# Altium PCB PCB.PcbDoc (part 1 of 3) (continued)
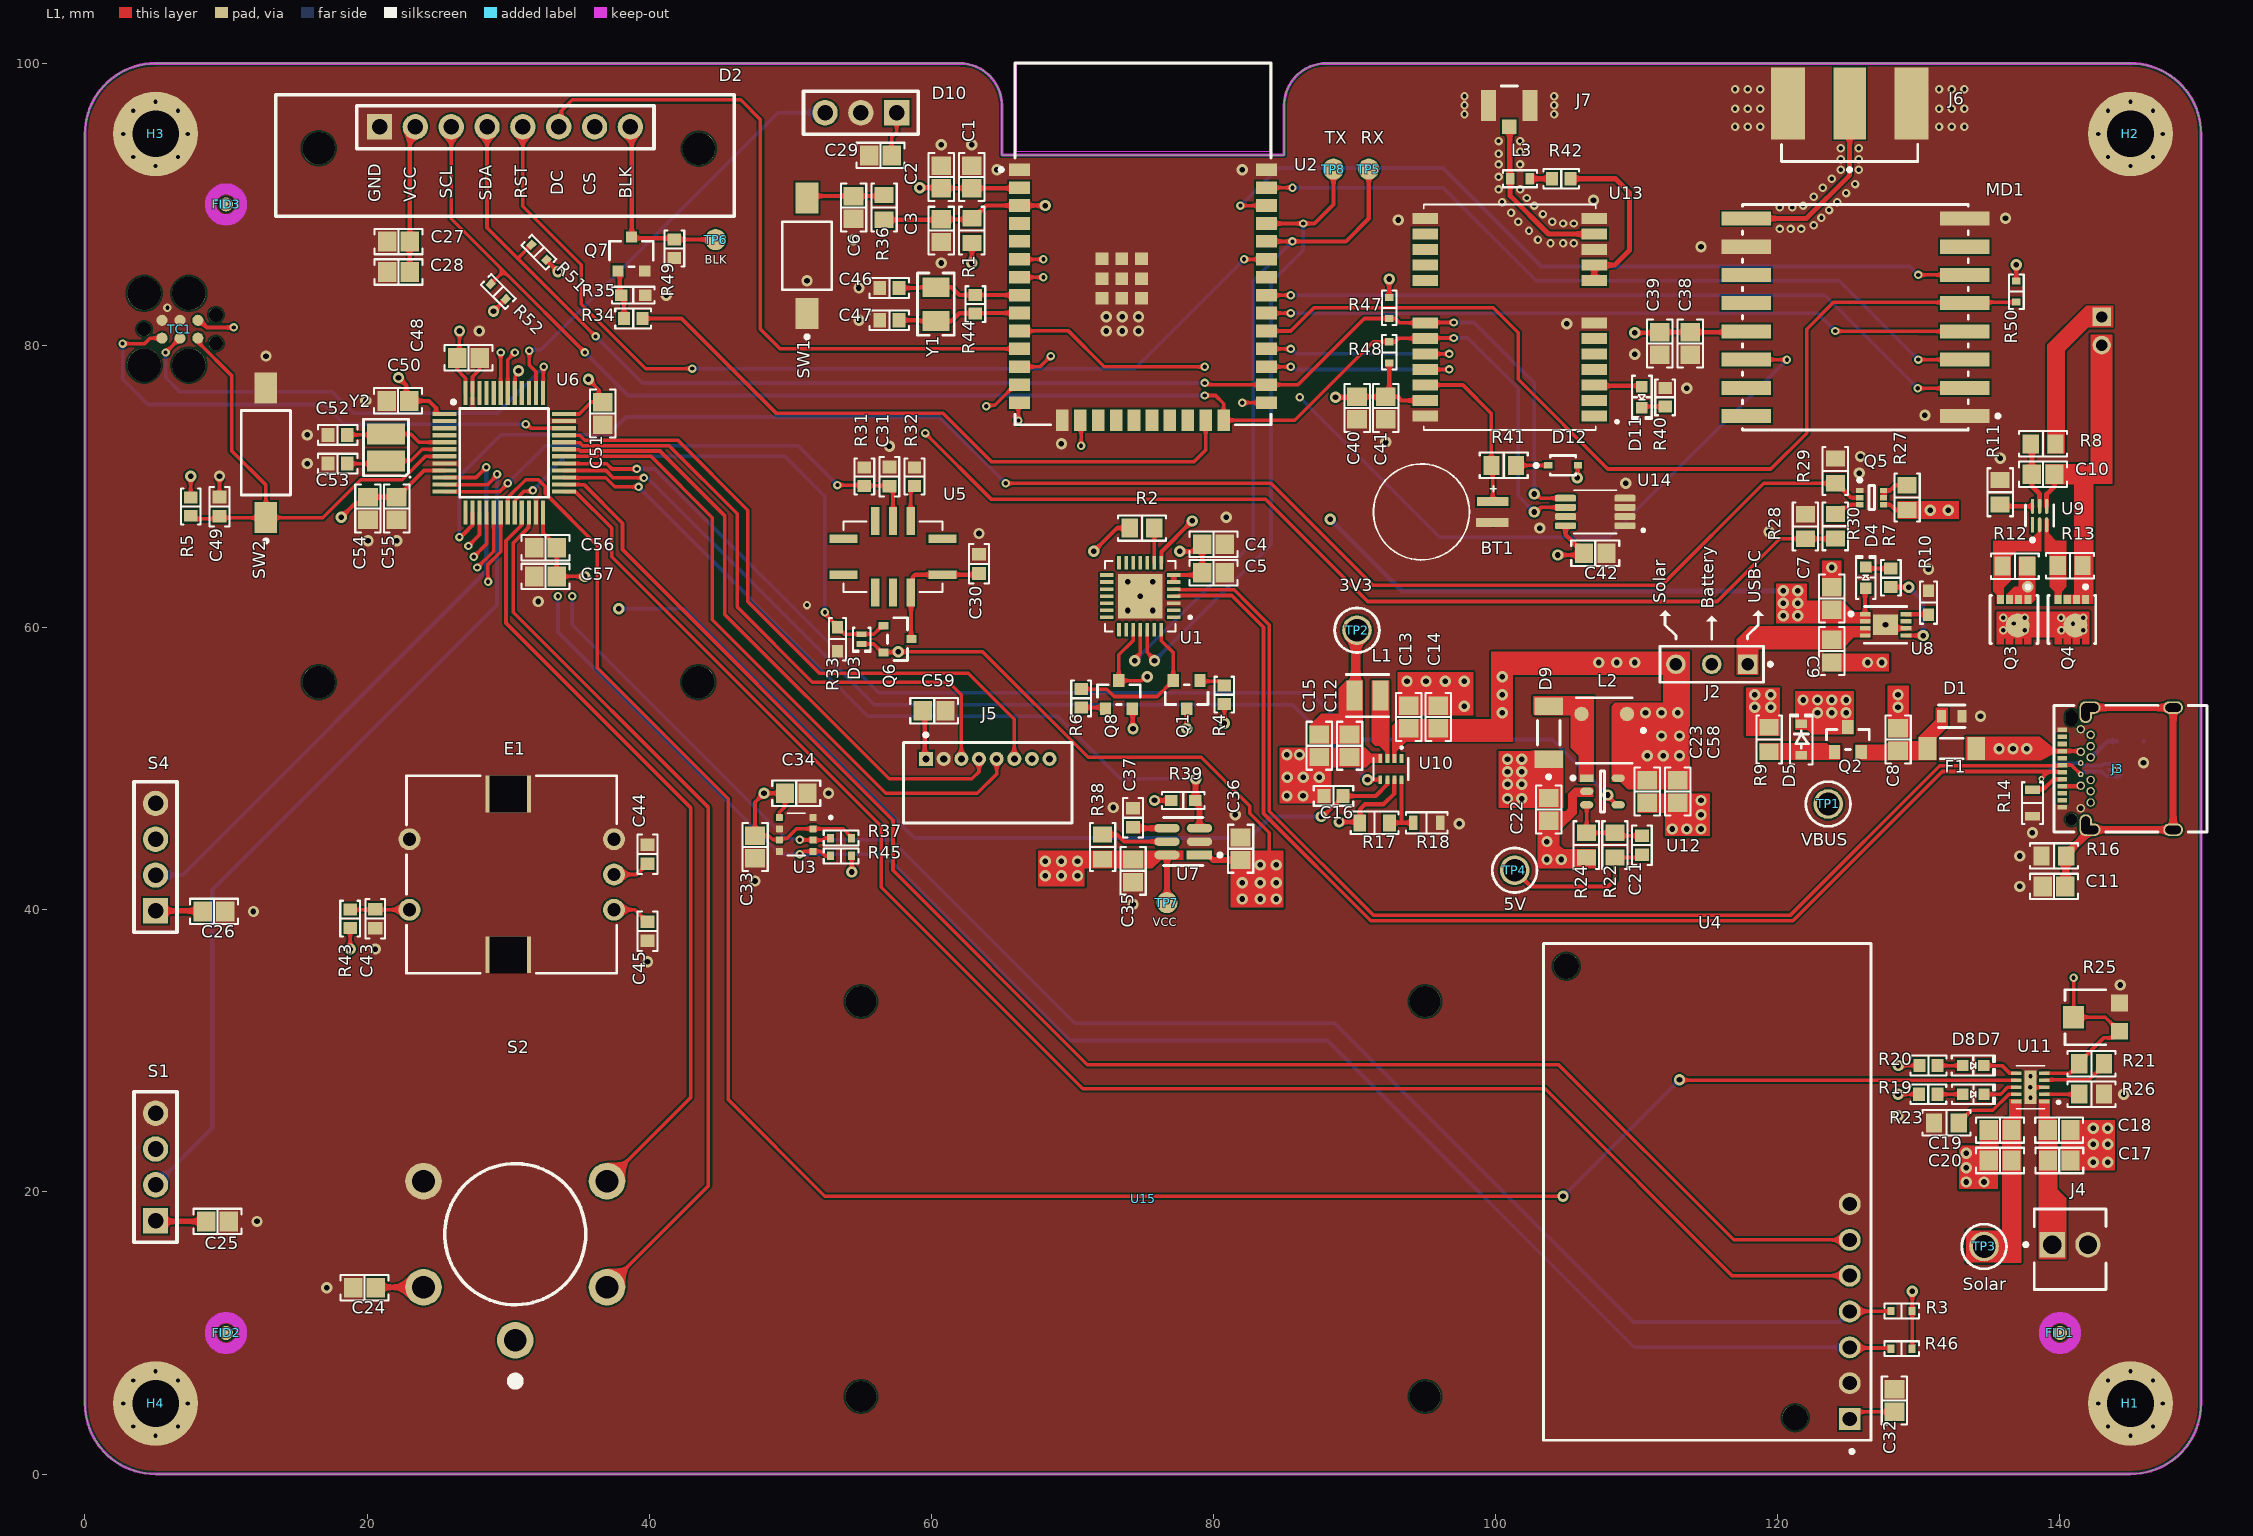
[diagram p0: L1 view]
## Components (designator, comment, footprint, x,y, rotation, side; value= is the part's Value field where it differs from the comment)
B1 "Battery" "1000 MAH BATTERY" 111.5,75 r180 bottom locked
BT1 "MS621FE-FL11E" BAT_MS621FE-FL11E 94.742,68.199 r0 top
C1 "22µF" "CAP 0805_2012" 62.854,91.948 r270 top
C2 "0.1µF" "CAP 0805_2012" 60.706,91.948 r270 top
C3 "1µF" "CAP 0805_2012" 60.706,88.138 r90 top
C4 "1µF" "CAP 0805_2012" 80.002,65.913 r180 top
C5 "1µF" "CAP 0805_2012" 80.002,63.881 r180 top
C6 "0.1µF" "CAP 0805_2012" 54.483,89.789 r270 top
C7 "4.7µF" "CAP 0805_2012" 123.825,62.065 r270 top
C8 "4.7µF" "CAP 0805_2012" 128.524,52.07 r270 top
C9 "4.7µF" "CAP 0805_2012" 123.825,58.331 r90 top
C10 "0.1µF" "CAP 0805_2012" 138.811,70.866 r180 top
C11 "1000 pF" "CAP 0805_2012" 139.573,41.656 r0 top
C12 "22µF" "CAP 0805_2012" 89.646,51.626 r90 top
C13 "10µF" "CAP 0805_2012" 93.837,53.658 r270 top
C14 "10µF" "CAP 0805_2012" 95.931,53.658 r270 top
C15 "22µF" "CAP 0805_2012" 87.487,51.626 r90 top
C16 "2200 pF" "CAP 0603_1608" 88.503,48.07 r0 top
C17 "10µF" "CAP 0805_2012" 139.954,22.225 r180 top
C18 "0.1µF" "CAP 0805_2012" 139.946,24.384 r180 top
C19 "10µF" "CAP 0805_2012" 135.763,24.384 r0 top
C20 "0.1µF" "CAP 0805_2012" 135.763,22.225 r0 top
C21 "4700 pF" "CAP 0603_1608" 110.363,44.577 r270 top
C22 "22µF" "CAP 0805_2012" 103.759,47.117 r90 top
C23 "10µF" "CAP 0805_2012" 110.744,48.387 r90 top
C24 "4.7µF" "CAP 0805_2012" 19.812,13.208 r0 top
C25 "4.7µF" "CAP 0805_2012" 9.398,17.907 r180 top
C26 "4.7µF" "CAP 0805_2012" 9.144,39.878 r180 top locked
C27 "0.1µF" "CAP 0805_2012" 22.225,87.368 r0 top
C28 "4.7µF" "CAP 0805_2012" 22.225,85.209 r0 top
C29 "4.7µF" "CAP 0805_2012" 56.388,93.472 r0 top
C30 "0.1µF" "CAP 0603_1608" 63.373,64.516 r270 top
C31 "0.1µF" "CAP 0603_1608" 57.023,70.706 r270 top
C32 "4.7µF" "CAP 0805_2012" 128.27,5.207 r270 top
C33 "0.1µF" "CAP 0805_2012" 47.498,44.45 r90 top
C34 "0.1µF" "CAP 0805_2012" 50.419,48.26 r180 top
C35 "1µF" "CAP 0805_2012" 74.295,42.761 r90 top
C36 "10µF" "CAP 0805_2012" 81.915,44.323 r270 top
C37 "0.1µF" "CAP 0603_1608" 74.295,46.522 r90 top
C38 "0.1µF" "CAP 0805_2012" 113.792,80.137 r90 top
C39 "4.7µF" "CAP 0805_2012" 111.633,80.137 r90 top
C40 "0.1µF" "CAP 0805_2012" 90.178,75.565 r90 top
C41 "4.7µF" "CAP 0805_2012" 92.21,75.565 r90 top
C42 "0.1µF" "CAP 0805_2012" 107.061,65.278 r180 top
C43 "0.1µF" "CAP 0603_1608" 20.574,39.37 r90 top
C44 "10000 pF" "CAP 0603_1608" 39.878,43.942 r270 top
C45 "10000 pF" "CAP 0603_1608" 39.878,38.481 r90 top
C46 "10pF" "CAP 0603_1608" 57.023,84.074 r0 top
C47 "10pF" "CAP 0603_1608" 57.023,81.788 r0 top
C48 "0.1µF" "CAP 0805_2012" 27.178,79.121 r180 top
C49 "0.1µF" "CAP 0603_1608" 9.533,68.58 r270 top
C50 "0.1µF" "CAP 0805_2012" 22.187,76.073 r0 top
C51 "0.1µF" "CAP 0805_2012" 36.703,75.184 r270 top
C52 "10 pF" "CAP 0603_1608" 17.907,73.66 r0 top
C53 "10 pF" "CAP 0603_1608" 17.907,71.628 r0 top
C54 "4.7µF" "CAP 0805_2012" 20.058,68.453 r90 top
C55 "0.1µF" "CAP 0805_2012" 22.09,68.453 r90 top
C56 "0.1µF" "CAP 0805_2012" 32.639,65.659 r0 top
C57 "1µF" "CAP 0805_2012" 32.639,63.627 r0 top
C58 "10µF" "CAP 0805_2012" 112.903,48.387 r90 top
C59 "4.7µF" "CAP 0805_2012" 60.198,54.102 r180 top
D1 "EZA-EG3A50AV" FP-EZAEG3A-MFG 132.334,53.721 r180 top
D2 "1.54 Inch TFT" "1.54 INCH DISPLAY" 20.88,95.5 r0 top locked
D3 "RCLAMP2261PW.C" 0402 55.056,59.19 r270 top
D4 "Green" "LED 0603_1608 GREEN" 126.238,63.551 r90 top
D5 "PZU3.0B2A,115" SOD323 121.666,52.07 r90 top
D7 "Red" "LED 0603_1608 RED" 133.87,26.924 r0 top
D8 "Green" "LED 0603_1608 GREEN" 133.858,28.956 r0 top
D9 "LS4148" FP-6_560-5006_01-4-MFG 103.759,52.548 r90 top value=4pF
D10 "GUVA-S12SD" GUVA-S12SD 57.54,96.5 r90 top locked
D11 "Green" "LED 0603_1608 GREEN" 110.363,76.327 r270 top
D12 "B0530WS-7-F" FP-SOD323-MFG 104.775,71.501 r0 top value=58pF
E1 "PEC11R-4315F-S0012" "BOURNS PEC11R-4315F-S0012" 30,42.5 r90 top
F1 "3413.0219.22" "FUSE 1206_3216 0.6MM" 132.334,51.435 r0 top
FID1 "FID_040" FID_040 140,10 r0 top locked
FID2 "FID_040" FID_040 10,10 r90 top locked
FID3 "FID_040" FID_040 10,90 r90 top locked
H1 "Mounting Hole" "MOUNTING HOLE" 145,5 r0 top locked
H2 "Mounting Hole" "MOUNTING HOLE" 145,95 r0 top locked
H3 "Mounting Hole" "MOUNTING HOLE" 5,95 r0 top locked
H4 "Mounting Hole" "MOUNTING HOLE" 5,5 r0 top locked
J1 "B2B-PH-K-S" JST_B2B-PH-K-S 143.51,81.026 r90 bottom
J2 "87224-3" FP-87224-3-MFG 115.316,57.404 r180 top
J3 "UJ31-CH-31-SMT-TR" "CUI UJ31-CH-31-SMT-TR" 145,50 r90 top
J4 "640456-2" TECO-640456-2_V 140.716,16.256 r180 top
J5 "53048-0810" FP-530480810-MFG 64,49 r180 top
J6 "142-0701-801" FP-142-0701-801-MFG 125.095,100.432 r90 top
J7 "U.FL-R-SMT-1(10)" FP-U_FL-R-SMT-1_10-MFG 100.965,97.028 r180 top
L1 "1239AS-H-1R0M=P2" FP-DFE252012C-IPC_C 90.916,55.182 r180 top
L2 "LPS4018-104MRB" FP-LPS4018-MFG 107.696,52.705 r180 top
L3 "27 µH" "TDK MLF1608" 101.727,91.821 r0 top
MD1 "RFM95W-868S2" FP-RFM95W-868S2-MFG 125.5,82 r180 top
Q1 "BC847BLT1G" ON_Semi_318-08_MFG 78.097,55.245 r270 top
Q2 "IRLML6402TRPBF" FP-Micro3-MFG 124.968,52.07 r90 top
Q3 "CSD16406Q3" FP-DQG0008A-MFG 136.751,60.57 r180 top
Q4 "CSD16406Q3" FP-DQG0008A-MFG 140.843,60.57 r180 top
Q5 "DMC2400UV-7" DIOD-SOT563-6_V 126.658,69.215 r0 top
Q6 "SI2301BDS-T1-GE3" FP-S-03946-MFG 57.596,59.182 r0 top
Q7 "AO3400A" FP-SOT23-MFG 38.735,86.487 r90 top
Q8 "BC847BLT1G" ON_Semi_318-08_MFG 73.287,55.245 r90 top
R1 "10K" "RES 0805_2012" 62.865,88.138 r270 top
R2 "1K" "RES 0805_2012" 74.93,67.056 r0 top
R3 "4.7K" "KOA RES RK73 RN73 0603_1608" 128.778,11.557 r0 top
R4 "10K" "RES 0603_1608" 80.764,55.245 r270 top
R5 "10K" "RES 0603_1608" 7.501,68.58 r90 top
R6 "10K" "RES 0603_1608" 70.612,54.991 r90 top
R7 "470 Ohms" "RES 0603_1608" 128.016,63.536 r270 top
R8 "330 Ohms" "RES 0805_2012" 138.811,73.025 r0 top
R9 "100K" "RES 0805_2012" 119.38,52.07 r270 top
R10 "2K" "YAGEO RES 0603_1608" 130.683,61.773 r270 top
R11 "2.2K" "RES 0805_2012" 135.763,69.596 r270 top
R12 "5.1M" "RES 0805_2012" 136.802,64.355 r180 top
R13 "5.1M" "RES 0805_2012" 140.716,64.389 r0 top
R14 "5.1K" "YAGEO RES RK73 RS73 SG73 0805_2012" 138.049,47.564 r90 top
R15 "5.1K" "YAGEO RES RK73 RS73 SG73 0805_2012" 145,51.943 r180 bottom
R16 "1M" "RES 0805_2012" 139.573,43.815 r0 top
R17 "200K" "YAGEO RES 0805_2012" 91.424,46.165 r0 top
R18 "44.2K" "YAGEO RES RK73 RS73 SG73 0805_2012" 95.107,46.165 r180 top
R19 "2K" "RES 0603_1608" 130.668,26.924 r180 top
R20 "2K" "RES 0603_1608" 130.683,28.956 r180 top
R21 "21.5K" "RES 0805_2012" 142.24,29.083 r0 top
R22 "100K" "RES 0805_2012" 108.458,44.577 r270 top
R23 "0Ω" "RES 0805_2012" 131.953,24.892 r0 top
R24 "33K" "RES 0805_2012" 106.426,44.577 r90 top
R25 "TC33X-2-104E" FP-TC33X-2-MFG 142.545,32.385 r90 top
R26 "787Ω" "RES 0805_2012" 142.24,26.924 r180 top
R27 "1M" "RES 0805_2012" 129.159,69.215 r90 top
R28 "1.5M" "RES 0805_2012" 124.079,67.183 r90 top
R29 "1M" "RES 0805_2012" 124.079,71.106 r90 top
R30 "180K" "RES 0805_2012" 121.959,67.169 r270 top
R31 "820" "RES 0603_1608" 55.245,70.706 r270 top
R32 "75" "RES 0603_1608" 58.801,70.706 r270 top
R33 "91K" "YAGEO RES 0603_1608" 53.343,59.182 r90 top
R34 "1K" "RES 0603_1608" 38.862,81.915 r180 top
R35 "10K" "YAGEO RES 0603_1608" 38.862,83.566 r180 top
R36 "10K" "RES 0805_2012" 56.642,89.789 r90 top
R37 "4.7K" "KOA RES RK73 RN73 0603_1608" 53.594,45.085 r0 top
R38 "150" "RES 0805_2012" 72.136,44.45 r270 top
R39 "10K" "YAGEO RES 0603_1608" 77.851,47.752 r180 top
R40 "1K" "RES 0603_1608" 112.014,76.327 r270 top
R41 "1K" "RES 0805_2012" 100.57,71.501 r0 top
R42 "22" "RES 0603_1608" 104.648,91.821 r0 top
R43 "10K" "RES 0603_1608" 18.796,39.37 r270 top
R44 "5M" "RES 0603_1608" 63.119,82.931 r270 top
R45 "4.7K" "KOA RES RK73 RN73 0603_1608" 53.594,43.815 r0 top
R46 "4.7K" "KOA RES RK73 RN73 0603_1608" 128.778,8.89 r0 top
R47 "4.7K" "KOA RES RK73 RN73 0603_1608" 92.456,82.665 r90 top
R48 "4.7K" "KOA RES RK73 RN73 0603_1608" 92.456,79.514 r270 top
R49 "0 Ohms" "RES 0603_1608" 41.783,86.868 r270 top
R50 "4.7K" "KOA RES RK73 RN73 0603_1608" 136.906,83.82 r270 top
R51 "4.7K" "KOA RES RK73 RN73 0603_1608" 32.176,86.614 r315 top
R52 "4.7K" "KOA RES RK73 RN73 0603_1608" 29.296,83.82 r315 top
S1 "MQ-131" "MQ-131 Sensor Module" 5,17.96 r0 top locked
S2 "ZE03-SO2" ZE03-SO2 30.5,17 r0 top
S4 "MQ-136" "MQ-136 Sensor Module" 5,39.92 r0 top locked
SW1 "FSMSMTR" TECO-FSMSMTR_V#1 51.181,86.36 r90 top
SW2 "FSMSMTR" TECO-FSMSMTR_V#2 12.827,72.39 r90 top
TC1 "TC2030-IDC" TC2030-IDC 6.731,81.153 r0 top
TP1 "5010" KSTN-5010_V 123.571,47.498 r180 top
TP2 "5010" KSTN-5010_V 90.17,59.817 r0 top
TP3 "5010" KSTN-5010_V 134.62,16.129 r180 top
TP4 "5010" KSTN-5010_V 101.346,42.799 r270 top
TP5 "Test point" "TEST POINT" 91,92.5 r90 top
TP6 "Test point" "TEST POINT" 44.704,87.503 r90 top
TP7 "Test point" "Test point" 76.701,40.506 r0 top
TP8 "Test point" "Test point" 88.5,92.5 r90 top
U1 "CP2102N-A02-GQFN20R" QFN50P500X500X100-29N 74.803,62.23 r180 top
U2 "ESP32-WROOM-32E(M113EH3200PH3Q0)" FP-ESP32-WROOM-32E_M113EH-MFG 75,87.2 r0 top
U3 "BME680" PSON80P300X300X100-8N 50.419,45.339 r270 top
U4 "SCD30" FP-SCD30-MFG 115,20 r0 top
U5 "MICS-2714" MICS-SMD10 57.277,65.024 r180 top
U6 "STM32F103C8T6" LQFP-48_19.6_393_58X11_SMD 29.718,72.39 r0 top
U7 "TPS22810DBVT" FP-DBV0006A-IPC_A 77.851,44.831 r180 top
U8 "MCP73831-2ACI/MC" FP-C04-123-MFG 127.635,60.198 r0 top
U9 "BQ29700DSER" FP-DSE0006A-IPC_A 138.557,67.945 r90 top
U10 "MP2182GTL-Z" SOT583_MP2182_MNP 92.567,49.975 r270 top
U11 "BQ24210DQCR" SON50P300X200X80-11N 137.901,27.416 r180 top
U12 "MIC2250-1YD5-TR" FP-MIC2250-1YD5-TR-IPC_C 107.569,48.387 r0 top
U13 "NEO-6M-GPS" XCVR_NEO-6M-GPS 101,82 r180 top
U14 "24AA32A-I/MS" SOP65P490X110-8N 107.061,68.199 r180 top
U15 "PMS5003" PMS5003 75,19.5 r0 top
U16 "TPD2EUSB30DRTR" DRT0003A 143.891,49.911 r180 bottom
Y1 "32.768 kHz" "ABRACON ABS07" 60.325,82.931 r90 top
Y2 "8 MHz" "NDK NX3225GD" 21.336,72.771 r90 top

## Footprints (in the part's own frame and the unit in brackets; to place one, negate y for a bottom-side part, rotate by r counter-clockwise, add the part's x,y. Pads: shape width x height; smd on the part's side, far side on the other; paste and mask are expansions set on the pad)
"1.54 INCH DISPLAY" [mm]
  rect 1.8x1.8 hole 1.1: 1(0,0)
  round 1.8 hole 1.1: 2(2.54,0) 3(5.08,0) 4(7.62,0) 5(10.16,0) 6(12.7,0) 7(15.24,0) 8(17.78,0)
  round 2.3 hole 2.3 unplated: ""(-4.318,-39.37) ""(-4.318,-1.524) ""(22.606,-39.37) ""(22.638,-1.547)
  silkscreen extent -7.37,-6.35 25.15,2.29, body extent -7.22,-42.26 25.14,1.46, height 22.8
0402 [mm] "SODFL, 2-Leads, Body 0.675x1.075mm, IPC Medium Density"
  rect 0.4x0.7 smd: 1(-0.35,0) 2(0.35,0)
  silkscreen extent -0.8,-0.63 0.92,0.63, body extent -0.51,-0.31 0.5,0.3, height 0.45
"1000 MAH BATTERY" [mm]
  body extent -23.2,-14 23,14, height 10
"ABRACON ABS07" [mm] "Crystal, 2-Leads, Body 3.20x1.50mm, IPC Medium Density"
  rect 1.4x1.9 smd: 1(-1.2,0) 2(1.2,0)
  silkscreen extent -2.2,-1.3 2.2,1.3, body extent -1.62,-0.77 1.63,0.78, height 0.9
BAT_MS621FE-FL11E [mm]
  rect 2.3x0.65 smd: NEG(5,-0.75)
  rect 2.2x0.65 smd: POS(5.05,0.75)
  silkscreen extent -3.4,-3.4 5.3,3.4, body extent -3.39,-3.4 5.9,3.4, height 2.8
"BOURNS PEC11R-4315F-S0012" [mm] "Rotary Encoder Mechanical 12 Quadrature (Incremental) Vertical, 12.5x13.4mm Body"
  round 1.55 hole 0.95: 1(-2.5,7) 2(2.5,7) A(-2.5,-7.5) B(0,-7.5) C(2.5,-7.5)
  rect 2.6x3.2 hole 2.6 square: S(-5.7,0) S(5.7,0)
  silkscreen extent -7,-7.7 7,7.2, body extent -7,-7.7 7,7.2, height 22.1
"CAP 0603_1608" [mm] "Chip Capacitor, 2-Leads, Body 1.60x0.80mm, IPC Medium Density"
  rect 0.9x1 smd: 1(-0.675,0) 2(0.675,0)
  silkscreen extent -1.4,-0.7 1.4,0.7, body extent -0.8,-0.41 0.8,0.41, height 0.82
"CAP 0805_2012" [mm] "Chip Capacitor, 2-Leads, Body 2.00x1.20mm, IPC Medium Density"
  rect 1.3x1.4 smd: 1(-0.8,0) 2(0.8,0)
  silkscreen extent -1.7,-0.9 1.7,0.9, body extent -1,-0.64 1,0.64, height 1.26
"CUI UJ31-CH-31-SMT-TR" [mm] "USB-C Receptacle Connector, 24 Postions, Body 8.96x10.85mm, SMD Pitch 0.5mm, TH Pitch 0.4mm"
  rect 0.32x0.7 smd: A1(-2.75,4.835) A2(-2.25,4.835) A3(-1.75,4.835) A4(-1.25,4.835) A5(-0.75,4.835) A6(-0.25,4.835) A7(0.25,4.835) A8(0.75,4.835) A9(1.25,4.835) A10(1.75,4.835) A11(2.25,4.835) A12(2.75,4.835)
  round 0.6 hole 0.4: B1(2.8,3.525) B2(2.4,2.825) B3(1.6,2.825) B4(1.2,3.525) B5(0.8,2.825) B8(-0.8,2.825) B9(-1.2,3.525) B10(-1.6,2.825) B11(-2.4,2.825) B12(-2.8,3.525)
  round 0.4 hole 0.2: B6(0.4,3.525) B7(-0.4,3.525)
  oval 0.9x1.4 hole 0.6 slot 1.1 at 90 deg: S(-4.33,-3.025) S(-4.33,2.825) S(4.33,2.825) S(4.33,-3.025)
  oval 1.55x0.9 hole 0.6 slot 1.25 at 0 deg: S(-4.005,3.175) S(4.005,3.175)
  round 0.85 hole 0.85 unplated: ""(-3.6,4.175)
  oval 1.15x0.85 hole 0.85 slot 1.15 at 0 deg unplated: ""(3.6,4.175)
  silkscreen extent -4.48,-5.43 4.5,5.42, body extent -4.48,-5.43 4.48,5.43, height 3.2
DIOD-SOT563-6_V [mm] "SOTFL, 6-Leads, Body 1.7x1.25mm, Pitch 0.5mm"
  rect 0.5x0.375 smd: 1(-0.85,0.5) 2(-0.85,0) 3(-0.85,-0.5) 4(0.85,-0.5) 5(0.85,0) 6(0.85,0.5)
  silkscreen extent -0.97,-0.85 0.2,1.36, body extent -0.81,-0.85 0.81,0.85, height 0.6
DRT0003A [mm] "SOTFL, 3-Leads, Body 1x1mm (inc leads), Pitch 0.35mm"
  rrect33% 0.3x0.3 smd: 1(-0.425,0.35) 2(-0.425,-0.35) 3(0.425,0)
  silkscreen extent 0.13,-0.55 0.43,0.55, body extent -0.5,-0.5 0.5,0.5, height 0.5
FID_040 [mm]
  round 1 smd paste-1.5 mask+1: 1(0,0)
  L1 keep-out circle w0.8: c0,0 r1.1
FP-6_560-5006_01-4-MFG [mm]
  rect 1.25x2 smd paste+0 mask+0: 1(-1.875,0) 2(1.875,0)
  silkscreen extent -3.25,-0.8 0.87,0.8, body extent -2.6,-1.1 2.6,1.1, height 0.25
FP-142-0701-801-MFG [mil]
  rect 200x90 smd paste+0 mask+0: 1(-129,0)
  rect 200x95 smd paste+0 mask+0: 2(-129,172.5) 3(-129,-172.5)
  rect 200x95 smd far side paste+0 mask+0: 2(-129,172.5) 3(-129,-172.5)
  silkscreen extent -319,-190 -244,190, body extent -295,-224 295,224, height 10
FP-87224-3-MFG [mil]
  rect 54.69x54.69 hole 35 paste-99999 mask+0: 1(-100,0)
  round 54.69 hole 35 paste-99999 mask+0: 2(0,0) 3(100,0)
  silkscreen extent -168,-50 145,50, body extent -148,-54 148,54, height 339
FP-530480810-MFG [mm]
  rect 1x1 hole 0.5 paste-2539.97 mask+0: 1(4.375,-1.7)
  round 1 hole 0.5 paste-2539.97 mask+0: 2(3.125,-1.7) 3(1.875,-1.7) 4(0.625,-1.7) 5(-0.625,-1.7) 6(-1.875,-1.7) 7(-3.125,-1.7) 8(-4.375,-1.7)
  silkscreen extent -5.97,-3.52 5.97,2.85, body extent -6.07,-2.95 6.07,2.95, height 0.25
FP-C04-123-MFG [mm]
  rect 0.75x0.3 smd paste+0 mask+0: 1(-1.45,0.75) 2(-1.45,0.25) 3(-1.45,-0.25) 4(-1.45,-0.75) 5(1.45,-0.75) 6(1.45,-0.25) 7(1.45,0.25) 8(1.45,0.75)
  rect 1.75x1.45 smd paste+0 mask+0: 9(0,0)
  silkscreen extent -2.57,-1.3 1.5,1.3, body extent -1.92,-1.1 1.92,1.1, height 0.25
FP-DBV0006A-IPC_A [mm]
  rect 1.805x0.61 smd paste+0 mask+0: 1(-1.15,0.95)
  rrect100% 1.805x0.61 smd paste+0 mask+0: 2(-1.15,0) 3(-1.15,-0.95) 4(1.15,-0.95) 5(1.15,0) 6(1.15,0.95)
  silkscreen extent -2.73,-1.7 1.4,1.7, body extent -2.55,-1.95 2.55,1.95, height 0.25
FP-DFE252012C-IPC_C [mm]
  rect 1.155x2.106 smd paste+0 mask+0: 1(-0.926,0) 2(0.926,0)
  silkscreen extent -1.5,-1.5 1.5,1.5, body extent -1.6,-1.2 1.6,1.2, height 0.25
FP-DQG0008A-MFG [mm]
  rect 0.5x0.63 smd paste-1000 mask+0: 1(-0.975,-1.435) 2(-0.325,-1.435) 3(0.325,-1.435) 4(0.975,-1.435)
  round 1.696 smd paste-1000 mask+0: 5-6-7-8(-0.25,0.415)
  L1 region: -1.225,-0.56 1.225,-0.56 1.225,1.75 0.725,1.75 0.725,1.34 0.575,1.34 0.575,1.75 0.075,1.75 0.075,1.34 -0.075,1.34 -0.075,1.75 -0.575,1.75 -0.575,1.34 -0.725,1.34 -0.725,1.75 -1.225,1.75
  silkscreen extent -1.7,-2.44 1.7,1.7, body extent -1.8,-1.85 1.8,1.85, height 0.25
FP-DSE0006A-IPC_A [mm]
  rect 1.065x0.242 smd paste+0 mask+0: 1(-0.654,0.5)
  rrect100% 1.065x0.242 smd paste+0 mask+0: 2(-0.654,0) 3(-0.654,-0.5) 4(0.654,-0.5) 5(0.654,0) 6(0.654,0.5)
  silkscreen extent -1.86,-1 0.75,1, body extent -1.69,-1.25 1.69,1.25, height 0.25
FP-ESP32-WROOM-32E_M113EH-MFG [mm]
  rect 1.5x0.9 smd paste+0 mask+0: 1(-8.75,5.26) 2(-8.75,3.99) 3(-8.75,2.72) 4(-8.75,1.45) 5(-8.75,0.18) 6(-8.75,-1.09) 7(-8.75,-2.36) 8(-8.75,-3.63) 9(-8.75,-4.9) 10(-8.75,-6.17) 11(-8.75,-7.44) 12(-8.75,-8.71) 13(-8.75,-9.98) 14(-8.75,-11.25) 25(8.75,-11.25) 26(8.75,-9.98) 27(8.75,-8.71) 28(8.75,-7.44) 29(8.75,-6.17) 30(8.75,-4.9) 31(8.75,-3.63) 32(8.75,-2.36) 33(8.75,-1.09) 34(8.75,0.18) 35(8.75,1.45) 36(8.75,2.72) 37(8.75,3.99) 38(8.75,5.26)
  rect 0.9x1.5 smd paste+0 mask+0: 15(-5.715,-12.5) 16(-4.445,-12.5) 17(-3.175,-12.5) 18(-1.905,-12.5) 19(-0.635,-12.5) 20(0.635,-12.5) 21(1.905,-12.5) 22(3.175,-12.5) 23(4.445,-12.5) 24(5.715,-12.5)
  rect 0.9x0.9 smd paste+0 mask+0: 39(-2.9,-3.86) 39(-2.9,-2.46) 39(-2.9,-1.06) 39(-1.5,-3.86) 39(-1.5,-2.46) 39(-1.5,-1.06) 39(-0.1,-3.86) 39(-0.1,-2.46) 39(-0.1,-1.06)
  Keep-Out Layer region: -9,6.56 9,6.56 9,12.75 -9,12.75
  silkscreen extent -10.17,-12.83 9.08,12.83, body extent -9.6,-13.35 9.6,12.93, height 0.25
FP-EZAEG3A-MFG [mm]
  rect 0.65x0.9 smd: 1(-0.725,0) 2(0.725,0)
  silkscreen extent -0.94,-0.8 0.94,0.8, body extent -1.15,-0.58 1.15,0.58, height 0.25
FP-LPS4018-MFG [mm]
  round 1.026 smd paste+0 mask+0: 1(-1.611,-1.175) 2(1.611,-1.175)
  L1 region: -2.2,-1.395 -2.2,1.395 -1.64,1.945 -0.75,1.945 -0.75,1.17 -1.33,0.575 -1.33,-0.575 -0.75,-1.17 -0.75,-1.945 -1.64,-1.945
  L1 region: 2.2,-1.395 2.2,1.395 1.64,1.945 0.75,1.945 0.75,1.17 1.33,0.575 1.33,-0.575 0.75,-1.17 0.75,-1.945 1.64,-1.945
  silkscreen extent -2.9,-2.32 1.99,2.32, body extent -2.3,-2.09 2.3,2.09, height 0.25
FP-MIC2250-1YD5-TR-IPC_C [mm]
  rect 0.94x0.532 smd paste+0 mask+0: 1(-1.115,0.95)
  rrect100% 0.94x0.532 smd paste+0 mask+0: 2(-1.115,0) 3(-1.115,-0.95) 4(1.116,-0.95) 5(1.116,0.95)
  silkscreen extent -2.21,-1.45 0.15,1.45, body extent -1.69,-1.55 1.69,1.55, height 0.25
FP-Micro3-MFG [mm]
  rect 0.972x0.802 smd paste+0 mask+0: 1(-0.885,0.95) 2(-0.885,-0.95) 3(0.885,0)
  silkscreen extent -0.7,-1.52 0.7,1.52, body extent -1.47,-1.87 1.47,1.87, height 0.25
FP-RFM95W-868S2-MFG [mm]
  rect 3.5x1 smd paste+0 mask+0: 1(-7.75,7) 2(-7.75,5) 3(-7.75,3) 4(-7.75,1) 5(-7.75,-1) 6(-7.75,-3) 7(-7.75,-5) 8(-7.75,-7) 9(7.75,-7) 10(7.75,-5) 11(7.75,-3) 12(7.75,-1) 13(7.75,1) 14(7.75,3) 15(7.75,5) 16(7.75,7)
  silkscreen extent -10.23,-8 8,8, body extent -9.6,-8.1 9.6,8.1, height 0.25
FP-S-03946-MFG [mil]
  rect 29x22 smd paste+0 mask+0: 1(-39,37.5) 2(-39,-37.5) 3(39,0)
  silkscreen extent -28,-60 28,60, body extent -57,-64 57,64, height 10
FP-SCD30-MFG [mm]
  rect 1.55x1.55 hole 1 paste-2539.97 mask+0: 1(10.1,-16.1)
  round 1.55 hole 1 paste-2539.97 mask+0: 2(10.1,-13.56) 3(10.1,-11.02) 4(10.1,-8.48) 5(10.1,-5.94) 6(10.1,-3.4) 7(10.1,-0.86)
  round 1.8 hole 1.8 unplated paste-2539.97 mask+0: ""(-10,16) ""(6.225,-16)